# Altium PCB edison_breakout3.PcbDoc (part 1 of 3) (continued)
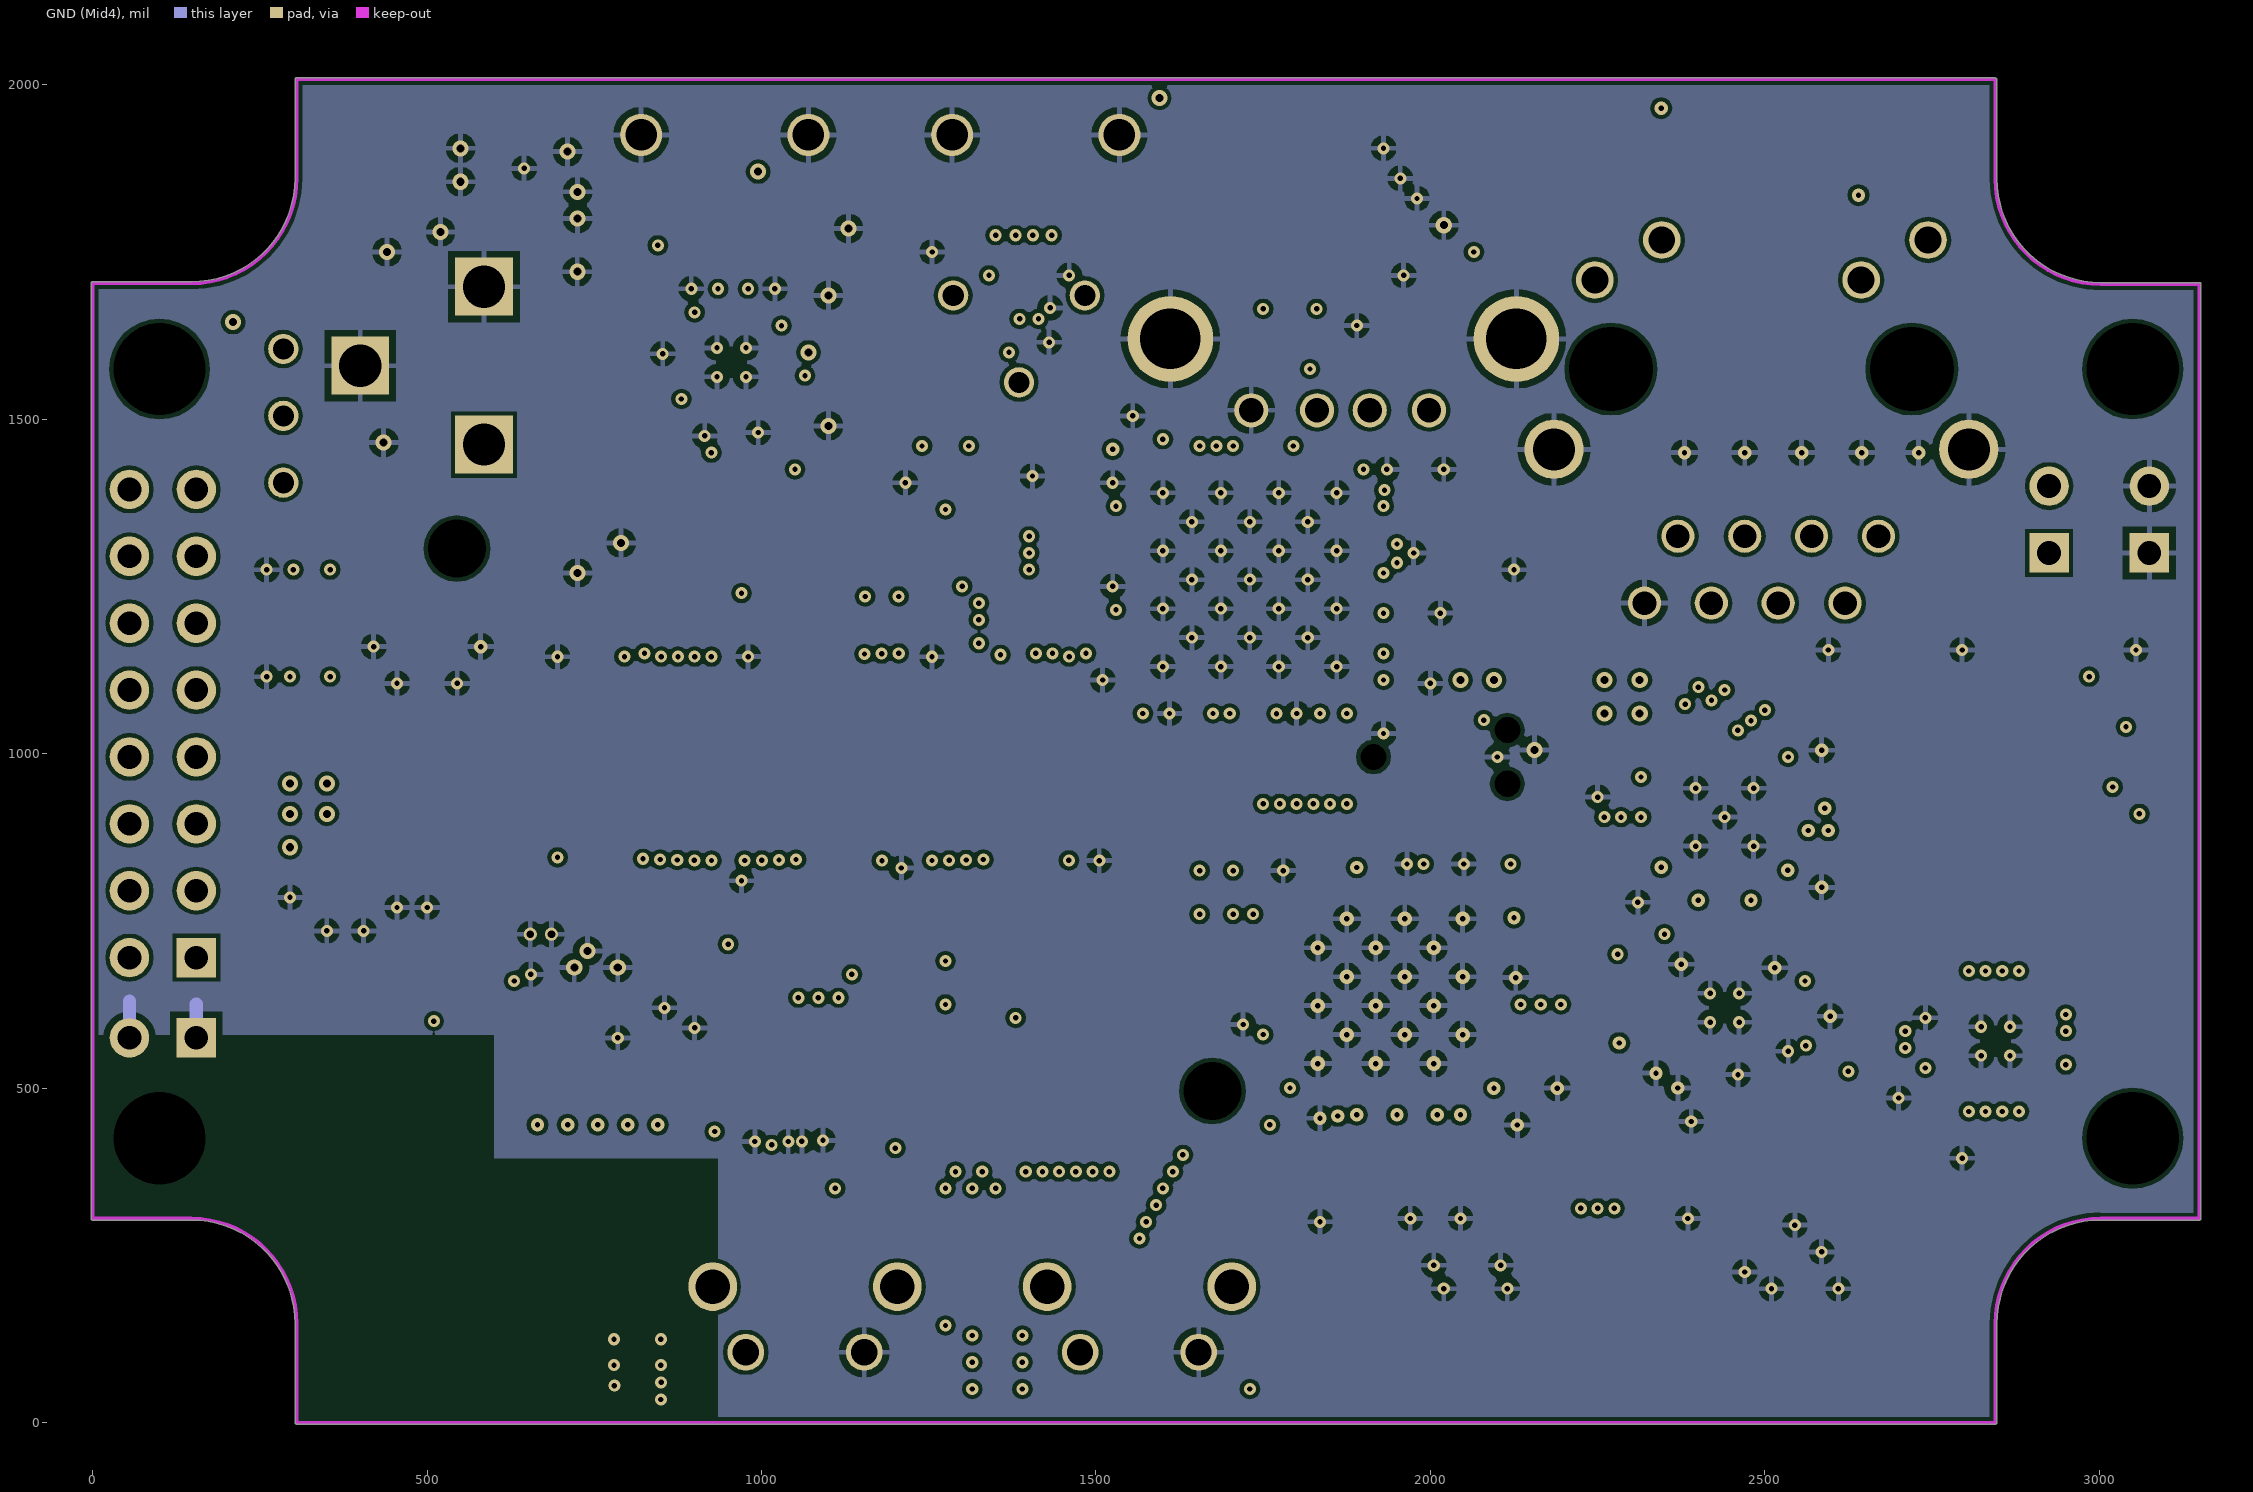
[diagram p5: GND (Mid4)]

## Layer stack, top to bottom
Top Solder: solder mask 0.4, Solder Resist, Dk 3.5
Top Layer: signal copper 1.4
Dielectric 1: core 10, FR-4, Dk 4.2
GND: signal copper 1.417
Dielectric 3: prepreg 5, Dk 4.2
VCC: signal copper 1.417
Dielectric 5: prepreg 5, Dk 4.2
Signal Layer 2: signal copper 1.417
Dielectric 4: core 10, Dk 4.2
GND (Mid4): signal copper 1.417
Dielectric 2: core 10, Dk 4.2
Bottom Layer: signal copper 1.4
Bottom Solder: solder mask 0.4, Solder Resist, Dk 3.5

## Board outline
0,302.6 147.64,302.6 cw(c147.64,147.64) 302.6,147.64 302.6,0 ccw(c305.12,0) 305.12,-2.51 2844.49,-2.51 ccw(c2844.49,0) 2847,0 2847,147.64 cw(c3001.97,147.64) 3001.97,302.6 3149.61,302.6 ccw(c3149.61,305.12) 3152.12,305.12 3152.12,1701.77 ccw(c3149.61,1701.77) 3149.61,1704.29 3001.97,1704.29 cw(c3001.97,1859.25) 2847,1859.25 2847,2006.89 ccw(c2844.49,2006.89) 2845.62,2009.13 ccw(c2843.38,2008) 2843.38,2010.51 305.12,2010.51 ccw(c305.12,2008) 302.6,2008 302.6,1860.36 cw(c147.64,1860.36) 147.64,1705.4 0,1705.4 ccw(c0,1702.88) -2.51,1702.88 -2.51,305.12 ccw(c0,305.12)

## Design rules (kind name [scope] priority, off if disabled: settings)
Clearance "non plated holes" [InPadClass('NPHOLES')] p1: gap=10 // Sunstone Circuits Minimum Clearance Rule (MLB~4&6 Layer Designs)
Clearance "Clearance~Sunstone Circuits" [All] p2: gap=6 // Sunstone Circuits Minimum Clearance Rule (MLB~4&6 Layer Designs)
DiffPairsRouting [All] p1: maxlimit=10 minlimit=10 mostfreqgap=10 toplayer_minwidth=6 toplayer_maxwidth=15 toplayer_prefwidth=15 midlayer1_minwidth=6 midlayer1_maxwidth=15 midlayer1_prefwidth=15 midlayer2_minwidth=6 midlayer2_maxwidth=15 midlayer2_prefwidth=15 midlayer3_minwidth=15 midlayer3_maxwidth=15 midlayer3_prefwidth=15 midlayer4_minwidth=15 midlayer4_maxwidth=15 midlayer4_prefwidth=15 bottomlayer_minwidth=6 bottomlayer_maxwidth=15 bottomlayer_prefwidth=15 maxuncoupledlength=500
HoleSize "HoleSize~Sunstone Circuits" [All] p1: absolutevalues=TRUE maxlimit=251 minlimit=8 maxpercent=80.000 minpercent=20.000 // Sunstone Circuits Hole Size Rule (MLB~4&6 Layer Designs)
HoleSize Testpoint [All] p2: absolutevalues=TRUE maxlimit=100 minlimit=1 maxpercent=80.000 minpercent=20.000
HoleSize TestPointUsage [All] p3: absolutevalues=TRUE maxlimit=100 minlimit=1 maxpercent=80.000 minpercent=20.000
MinimumAnnularRing "MinimumAnnularRing~Sunstone Circuits" [All] p1 off: minimumring=5 // Sunstone Circuits Minimum Annular Ring (MLB~4&6 Layer Designs)
MinimumSolderMaskSliver [All] p1 off: minsoldermaskwidth=10
PlaneClearance "PlaneClearance~Sunstone Circuits" [All] p1: clearance=12 // Sunstone Circuits Power Plane Clearance Rule (MLB~4&6 Layer Designs)
PlaneConnect "PlaneConnect~Sunstone Circuits" [All] p1: planeconnectstyle=Relief reliefexpansion=10 reliefentries=4 reliefconductorwidth=8 reliefairgap=10 // Sunstone Circuits Power Plane Connect Rule (MLB~4&6 Layer Designs)
PolygonConnect "PolygonConnect~Sunstone Circuits" [All] p1: connectstyle=Relief reliefconductorwidth=8 reliefentries=4 polygonreliefangle="90 Angle" airgapwidth=10 // Sunstone Circuits Polygon Connect Style (MLB~4&6 Layer Designs)
RoomDefinition U_usb_host_slave [InComponentClass('U_usb_host_slave')] p1: confinementstyle=ConfineIn formatcopy=TRUE lockcomponents=FALSE outline 1184.29,1371.41 1184.29,1548.59 1203.21,1548.59 1203.21,1720.6 1211.3,1720.6 1211.3,1747.48 1228.74,1747.48 1228.74,1814.61 1238.58,1814.61 1238.58,2035 1532.7,2035 1532.7,2036.04 2207.3,2036.04 2207.3,1459.86 2022.48,1459.86 2022.48,1371.3 1453.74,1371.3 1453.74,1344.13 1276.26,1344.13 1276.26,1371.41
RoomDefinition U_edison_gpio [InComponentClass('U_edison_gpio')] p2 off: confinementstyle=ConfineIn formatcopy=TRUE lockcomponents=FALSE outline -7.5,632.5 -7.5,1457.5 217.5,1457.5 217.5,1237.48 1233.7,1237.48 1233.7,1158.54 1535.51,1158.54 1535.51,1156.19 3157.38,1156.19 3157.38,556.37 2958.35,556.37 2958.35,437.95 2857.48,437.95 2857.48,406.3 1752.41,406.3 1752.41,-135.36 877.59,-135.36 877.59,-6.18 722.79,-6.18 722.79,21.3 622.52,21.3 622.52,632.5
RoomDefinition U_power [InComponentClass('U_power')] p3 off: confinementstyle=ConfineIn formatcopy=TRUE lockcomponents=FALSE outline -7.5,512.5 -7.5,637.5 152.52,637.5 152.52,1703.7 221.32,1703.7 221.32,1714.35 333.78,1714.35 333.78,2018.65 769.29,2018.65 769.29,1609.61 1796.26,1609.61 1796.26,1478.7 1962.48,1478.7 1962.48,1462.5 3137.5,1462.5 3137.5,1237.5 2187.48,1237.5 2187.48,471.1 2133.07,471.1 2133.07,451.73 2132.48,451.73 2132.48,416.1 2008.7,416.1 2008.7,397.32 1782.48,397.32 1782.48,365.08 339.37,365.08 339.37,512.5
RoomDefinition U_ethernet [InComponentClass('U_ethernet')] p4 off: confinementstyle=ConfineIn formatcopy=TRUE lockcomponents=FALSE outline 1466.3,1327.52 1466.3,1477.48 1518.23,1477.48 1518.23,1490.47 1637.52,1490.47 1637.52,1638.7 2127.67,1638.7 2127.67,2014.8 2862.33,2014.8 2862.33,1134.8 1988.7,1134.8 1988.7,1067.52 1941.77,1067.52 1941.77,1048.23 1787.48,1048.23 1787.48,1006.3 1702.52,1006.3 1702.52,1048.23 1518.23,1048.23 1518.23,1327.52
RoomDefinition U_usb_uart [InComponentClass('U_usb_uart')] p5 off: confinementstyle=ConfineIn formatcopy=TRUE lockcomponents=FALSE outline 751.3,1637.52 751.3,1787.48 773.58,1787.48 773.58,2035 1116.42,2035 1116.42,1687.48 1128.7,1687.48 1128.7,1601.26 1134.61,1601.26 1134.61,1488.74 1067.36,1488.74 1067.36,1472.64 937.48,1472.64 937.48,1471.3 852.52,1471.3 852.52,1472.64 824.92,1472.64 824.92,1637.52
RoomDefinition U_edison_misc [InComponentClass('U_edison_misc')] p6 off: confinementstyle=ConfineIn formatcopy=TRUE lockcomponents=FALSE outline 204.51,1079.64 204.51,1310.36 355.49,1310.36 355.49,1079.64
RoomDefinition U_cc2538 [InComponentClass('U_cc2538')] p7 off: confinementstyle=ConfineIn formatcopy=TRUE lockcomponents=FALSE outline 1240.36,22.38 1240.36,157.62 1307.52,157.62 1307.52,158.7 1761.3,158.7 1761.3,577.48 1880.98,577.48 1880.98,1069.96 2149.02,1069.96 2149.02,582.48 2223.7,582.48 2223.7,185.18 2234.98,185.18 2234.98,-296.17 1895.02,-296.17 1895.02,21.3 1307.52,21.3 1307.52,22.38
RoomDefinition U_cc2520_cc2592 [InComponentClass('U_cc2520_cc2592')] p8 off: confinementstyle=ConfineIn formatcopy=TRUE lockcomponents=FALSE outline 2118.74,1075.39 2118.74,1144.61 2231.26,1144.61 2231.26,1074.61 2241.26,1074.61 2241.26,1057.72 2574.02,1057.72 2574.02,1007.48 2613.7,1007.48 2613.7,663.7 2622.48,663.7 2622.48,185.18 2734.98,185.18 2734.98,-296.17 2395.02,-296.17 2395.02,471.3 2367.52,471.3 2367.52,497.52 2286.3,497.52 2286.3,566.3 2257.52,566.3 2257.52,622.52 2251.3,622.52 2251.3,701.3 2247.52,701.3 2247.52,739.91 2191.72,739.91 2191.72,1005.39 2128.74,1005.39 2128.74,1075.39
RoutingVias "RoutingVias~Sunstone Circuits" [All] p1: holewidth=16 width=30 viastyle="Through Hole" minholewidth=6 minwidth=18 maxholewidth=20 maxwidth=40 // Sunstone Circuits Routing Vias Rule (MLB~4&6 Layer Designs)
ShortCircuit "ShortCircuit~Sunstone Circuits" [All] p1: allowed=FALSE // Sunstone Circuits Short Circuit Rule~Do Not Allow (MLB~4&6 Layer Designs)
SilkToSilkClearance [All] p1 off: silktosilkclearance=10
SilkToSolderMaskClearance [IsPad] p1 off: minsilkscreentomaskgap=10 clearancetoexposedcopper=TRUE
SolderMaskExpansion TentVias [isVia] p1: expansion=-20 // Sunstone Circuits Solder Mask Expansion Rule (MLB~4&6 Layer Designs)
SolderMaskExpansion "SolderMaskExpansion~Sunstone Circuits" [All] p2: expansion=3 // Sunstone Circuits Solder Mask Expansion Rule (MLB~4&6 Layer Designs)
ViasUnderSMD "ViasUnderSMD~Sunstone Circuits" [All] p1: allowed=FALSE // Sunstone Circuits Vias Under SMD~Do Not Allow (MLB~4&6 Layer Designs)
Width "Width~Sunstone Circuits" [All] p1: maxlimit=100 minlimit=6 preferedwidth=10 // Sunstone Circuits Minimum Width Rule (MLB~4&6 Layer Designs)
22 further rules are at their usual default settings.

## Classes and differential pairs
component class U_cc2520_cc2592: ANT2 C80 C81 C82 C83 C84 C85 C86 C87 C88 C89 C90 C91 C92 C93 FB6 L2 L3 L4 L5 R38 R39 R40 R41 R42 U13 U14 Y4
component class U_cc2538: ANT1 B1 C47 C48 C49 C50 C51 D2 P4 P6 R4 R5 R6 R7 R8 Y1 Y2
component class U_edison_gpio: C38 C52 C53 C54 C55 C56 C57 C58 C79 D3 J2 P5 Q1 Q2 R9 R10 R12 R13 R14 R16 R17 R46 SW6 SW7 U6 U7 U8 U12
component class U_edison_misc: J7 R11 R15 SW1
component class U_ethernet: C59 C60 C61 C62 C63 C64 C65 C96 D4 J3 R18 R19 R20 R21 R22 R23 R24 R25 R26 R27 R28 R45 U4 Y3
component class U_power: C1 C2 C3 C4 C5 C6 C7 C8 C9 C10 C11 C12 C13 C14 C15 C16 C17 C18 C19 C20 C21 C22 C23 C24 C25 C26 C27 C28 C29 C30 C31 C32 C33 C34 C35 C36 C37 C39 C40 C41 C42 C43 C44 C45 C46 C78 C94 C95 D1 D7 FB1 FB2 FB3 FB4 J1 L1 M1 P1 P2 P3 R1 R2 R3 R43 R44 SW5 U1 U2 U3 U5
component class U_usb_host_slave: C71 C72 C73 C74 C75 C76 C77 J5 J6 Q3 Q4 R33 R34 R35 R36 R37 SW4 U10 U11
component class U_usb_uart: C66 C67 C68 C69 C70 C97 D5 D6 FB5 J4 R29 R30 R31 R32 U9
differential pair CC2520_RF: +CC2520_RF_P -CC2520_RF_N
differential pair CC2538_RF: +CC2538_RF_P -CC2538_RF_N
differential pair RX: +RX_P -RX_N
differential pair TX: +TX_P -TX_N
differential pair USB_DOWNSTREAM: +USB_DOWNSTREAM_P -USB_DOWNSTREAM_N
differential pair USB_EDISON: +USB_EDISON_P -USB_EDISON_N
differential pair USB_SLAVE: +USB_SLAVE_P -USB_SLAVE_N
differential pair USB_UPSTREAM: +USB_UPSTREAM_P -USB_UPSTREAM_N

## Components (designator, comment, footprint, x,y, rotation, side; value= is the part's Value field where it differs from the comment)
ANT1 "CONSMA003.062" CONSMA003.062 2065,90 r270 top
ANT2 "CONSMA003.062" CONSMA003.062 2565,90 r270 top
B1 "2450BM15A0002E" 2450BM15A0002 1980,404.8 r180 top
C1 "Ceramic capacitor" 0603 680,1930 r0 bottom
C2 "Ceramic capacitor" 0603 595,725 r90 bottom
C3 "Ceramic capacitor" 0402 495,640 r270 bottom
C4 "Tantalum capacitor" "1206 - POLAR MARKING" 785,575 r90 bottom
C5 "Ceramic capacitor" 0603 850,540 r90 bottom
C6 "Ceramic capacitor" 0402 895,525 r90 bottom
C7 "Ceramic capacitor" 0402 740,750 r270 bottom
C8 "Ceramic capacitor" 0603 785,735 r270 bottom
C9 "Ceramic capacitor" 0603 575,1780 r180 bottom
C10 "Ceramic capacitor" 0603 440,1805 r270 bottom
C11 "Ceramic capacitor" 0402 595,835 r270 bottom
C12 "Tantalum capacitor" "0603 - Polar Marking" 550,820 r270 bottom
C13 "Ceramic capacitor" 0402 455,830 r270 bottom
C14 "Tantalum capacitor" "0603 - Polar Marking" 405,815 r270 bottom
C15 "Ceramic capacitor" 0603 490,1465 r180 bottom
C16 "Tantalum capacitor" "1206 - POLAR MARKING" 555,1580 r180 bottom
C17 "Ceramic capacitor" 0603 695,1755 r0 bottom
C18 "Ceramic capacitor" 0402 685,1800 r0 bottom
C19 "Ceramic capacitor" 0402 2085,830 r180 bottom
C20 "Ceramic capacitor" 0402 1845,429.8 r180 bottom
C21 "Ceramic capacitor" 0402 1930.16,830 r0 bottom
C22 "Ceramic capacitor" 0402 1780,780 r90 bottom
C23 "Ceramic capacitor" 0402 1735,620 r180 bottom
C24 "Ceramic capacitor" 0402 2125,710 r270 bottom
C25 "Ceramic capacitor" 0603 1645,1025 r180 top
C26 "Ceramic capacitor" 0402 1580,1445 r180 bottom
C27 "Ceramic capacitor" 0402 1665,1090 r180 bottom
C28 "Ceramic capacitor" 0402 1980,1360 r0 bottom
C29 "Ceramic capacitor" 0402 1830,1030 r180 top
C30 "Ceramic capacitor" 0402 1870,489.8 r180 bottom
C31 "Ceramic capacitor" 0402 1980,439.8 r270 bottom
C32 "Ceramic capacitor" 0402 1920,439.8 r270 bottom
C33 "Ceramic capacitor" 0402 1558.74,1387.95 r90 bottom
C34 "Ceramic capacitor" 0402 1558.74,1230.47 r90 bottom
C35 "Ceramic capacitor" 0402 1600,1090 r0 bottom
C36 "Ceramic capacitor" 0402 1730,1090 r0 bottom
C37 "Ceramic capacitor" 0402 1818.58,1088.74 r180 bottom
C38 "Ceramic capacitor" 0402 1475,870 r0 top
C39 "Ceramic capacitor" 0402 1780,1430 r180 bottom
C40 "Ceramic capacitor" 0402 1710,1430 r0 bottom
C41 "Ceramic capacitor" 0402 1885,1090 r180 bottom
C42 "Ceramic capacitor" 0402 1901.26,1171.42 r90 bottom
C43 "Ceramic capacitor" 0402 1920,1450 r0 bottom
C44 "Ceramic capacitor" 0402 1975,1210 r0 bottom
C45 "Ceramic capacitor" 0402 1975,1255 r0 bottom
C46 "Ceramic capacitor" 0402 2145,499.8 r0 bottom
C47 "Ceramic capacitor" 0402 2195,540 r270 top
C48 "Ceramic capacitor" 0402 2175,470 r0 top
C49 "Ceramic capacitor" 0402 1795,460 r270 bottom
C50 "Ceramic capacitor" 0402 1795,394.8 r90 top
C51 "Ceramic capacitor" 0402 1875,299.8 r0 top
C52 "Ceramic capacitor" 0402 2815,435 r180 bottom
C53 "Ceramic capacitor" 0402 1195,870 r0 top
C54 "Ceramic capacitor" 0402 915,870 r0 top
C55 "Ceramic capacitor" 0402 1195,1110 r0 top
C56 "Ceramic capacitor" 0402 1475,1110 r0 top
C57 "Ceramic capacitor" 0402 2770,485 r270 bottom
C58 "Ceramic capacitor" 0402 2730,485 r270 bottom
C59 "Ceramic capacitor" 0402 2085,1275 r0 top
C60 "Ceramic capacitor" 0402 1590,1505 r180 bottom
C61 "Ceramic capacitor" 0402 2380,1410 r90 bottom
C62 "Ceramic capacitor" 0402 2645,1410 r90 bottom
C63 "Ceramic capacitor" 0402 2730,1410 r90 bottom
C64 "Ceramic capacitor" 0402 2470,1410 r90 bottom
C65 "Ceramic capacitor" 0402 2555,1410 r90 bottom
C66 "Ceramic capacitor" 0402 895,1500 r0 top
C67 "Ceramic capacitor" 0603 1100,1545 r270 top
C68 "Ceramic capacitor" 0402 1100,1645 r90 top
C69 "Ceramic capacitor" 0402 1020,1735 r270 top
C70 "Ceramic capacitor" 0402 895,1735 r270 top
C71 "Ceramic capacitor" 0402 1300,1735 r180 bottom
C72 "Ceramic capacitor" 0603 1285,1780 r180 bottom
C73 "Tantalum capacitor" "1206 - POLAR MARKING" 1945,1595 r180 bottom
C74 "Ceramic capacitor" 0402 1995,1860 r180 bottom
C75 "Ceramic capacitor" 0603 1980,1910 r180 bottom
C76 "Ceramic capacitor" 0402 1995,1715 r180 bottom
C77 "Ceramic capacitor" 0603 1980,1670 r180 bottom
C78 "Ceramic capacitor" 0402 2090,444.8 r0 bottom